# KiCad board LOKUM_PC_ALLWINNER-A64.kicad_pcb (continued)
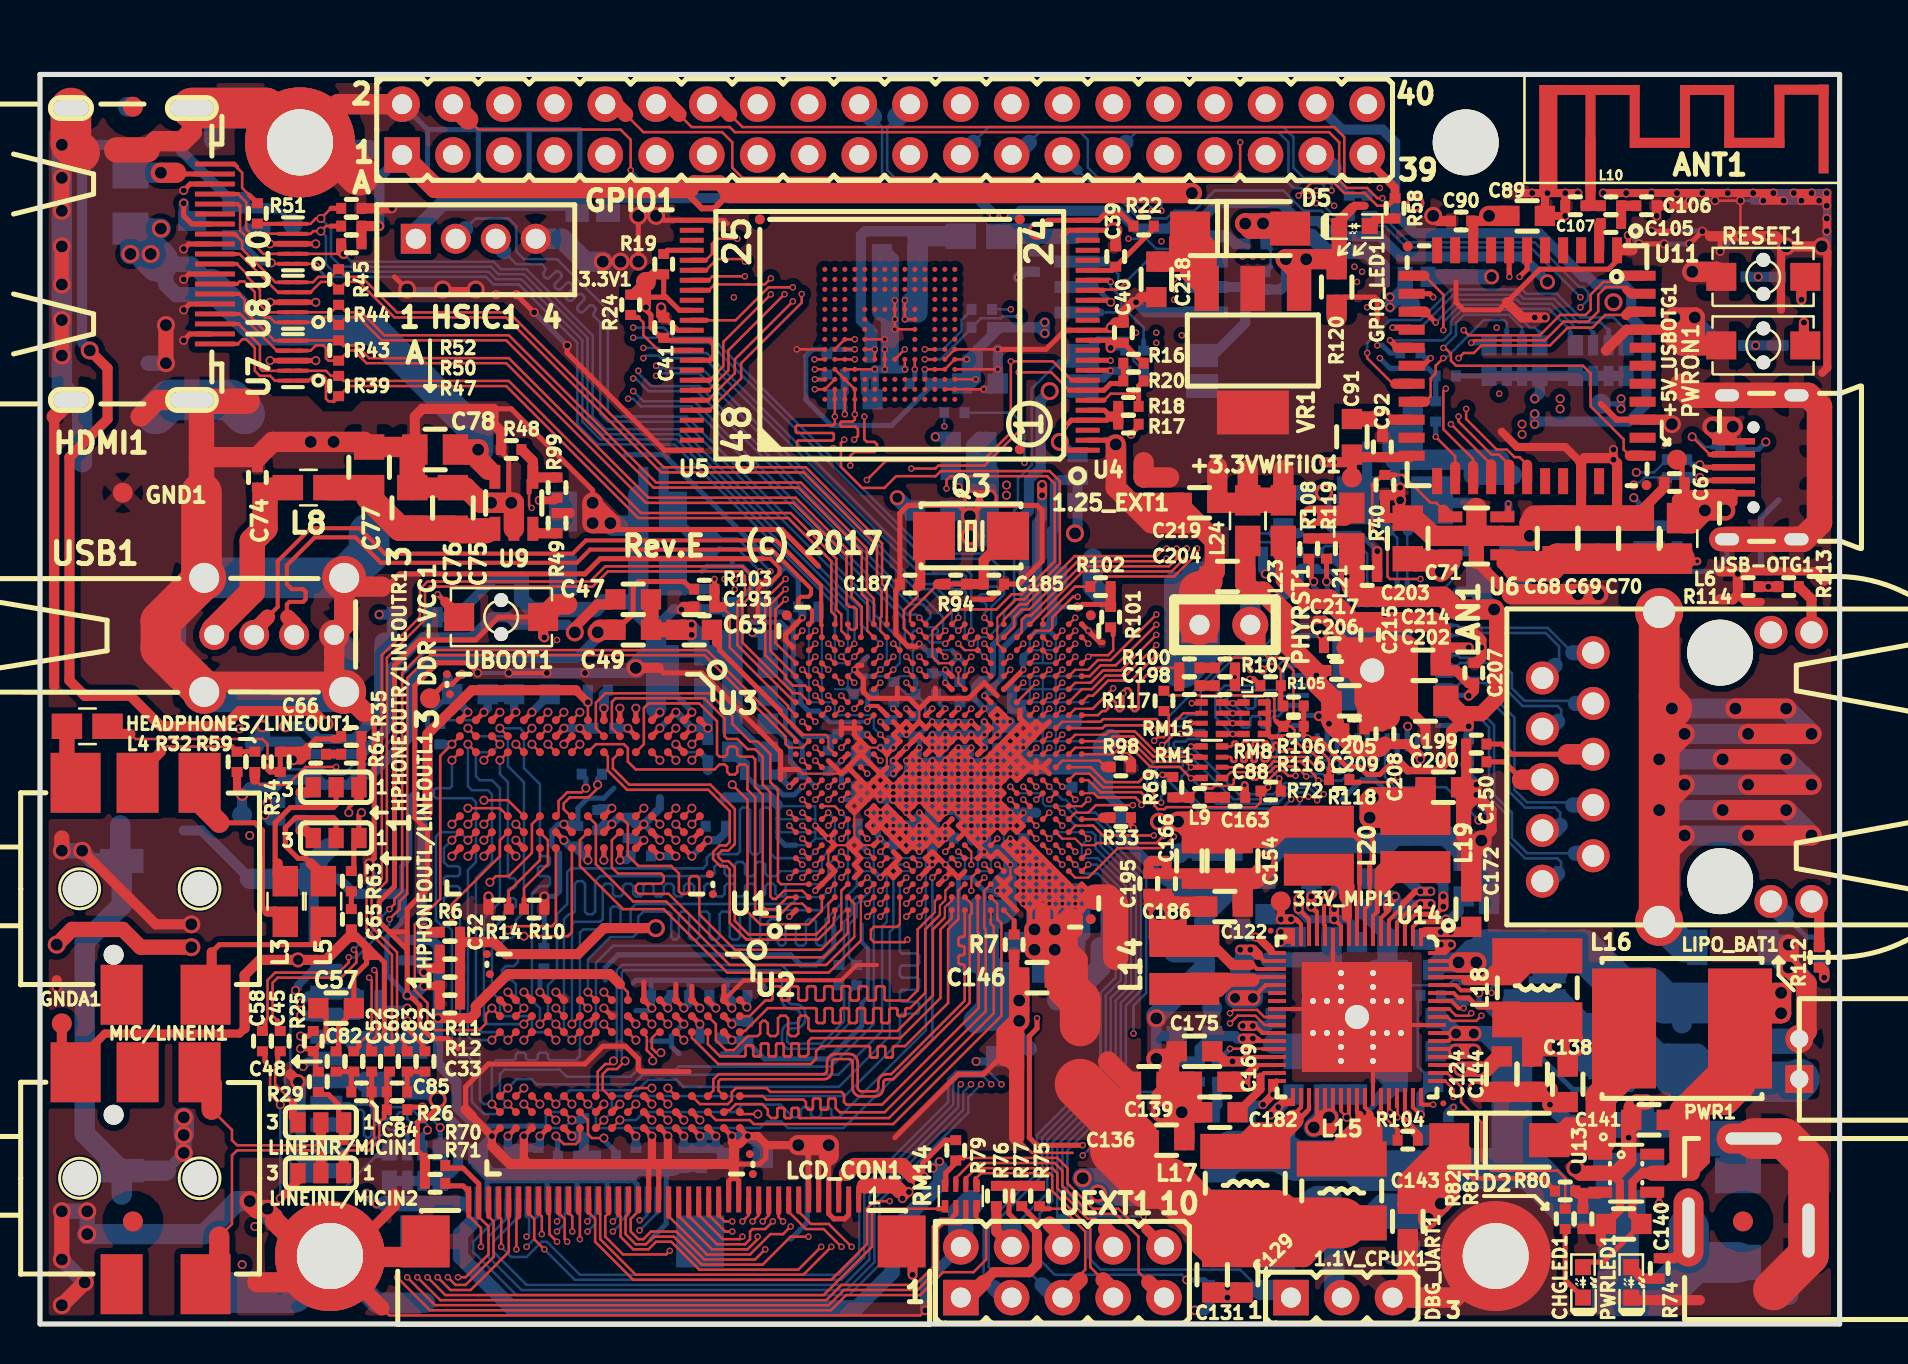
[diagram p0: board, top side]
## Routing (per net, layer and track width the routed paths; a pad name or vN(x,y) marks a point on that pad's centre or on a via; arc(x,y) is an arc through that point) (continued)
/S0SA6: length 49.4
  Top w0.127: v3(23.4,11) U2.R8 ; U3.R8 v3(21.4,24.2) ; U1.F3 v5(41.38,22.33)
  Bottom w0.107: 41.7,22 41.7,20.05
  Bottom w0.127: v3(21.4,24.2) 21,24.6 20.02,24.6 19.8,24.38 19.8,20.2 20.1,19.9 20.4,19.9 20.6,19.7 20.6,13.6 20.8,13.4 21.4,13.4 21.6,13.2 21.6,11.1 22.2,10.5 22.9,10.5 v3(23.4,11) 23,11.4 23,12.5 23.23,12.73 25.98,12.73 26.34,12.37 29.54,12.37 29.9,12.73 31.8,12.73 31.95,12.88 39.57,12.88 41.7,15 41.7,20.05 ; v5(41.38,22.33) 41.7,22
/S0SA7: length 49.2
  Top w0.127: v3(24.2,15.8) U2.R2 ; U1.E4 v5(40.07,22.33) ; v3(21.4,29.8) U3.R2
  In3.Cu w0.127: v3(24.2,15.8) 24.6,16.2 24.6,17.84 24.71,17.96 25.54,17.96 25.57,17.95 25.6,17.94 25.62,17.93 25.64,17.91 25.66,17.88 25.67,17.85 25.67,17.82 25.67,17.46 25.68,17.43 25.69,17.4 25.7,17.38 25.73,17.35 25.75,17.34 25.78,17.33 25.81,17.32 26.09,17.32 26.12,17.33 26.15,17.34 26.18,17.35 26.2,17.38 26.21,17.4 26.23,17.43 26.23,17.46 26.23,18.5 26.23,18.53 26.24,18.56 26.26,18.59 26.28,18.61 26.31,18.63 26.34,18.64 26.37,18.64 26.64,18.64 26.67,18.64 26.7,18.63 26.73,18.61 26.75,18.59 26.77,18.56 26.78,18.53 26.78,18.5 26.78,18.1 26.79,18.07 26.8,18.04 26.81,18.01 26.83,17.99 26.86,17.97 26.89,17.96 26.92,17.96 27.2,17.96 27.23,17.96 27.26,17.97 27.28,17.99 27.31,18.01 27.32,18.04 27.33,18.07 27.34,18.1 27.34,18.5 27.34,18.53 27.35,18.56 27.37,18.59 27.39,18.61 27.41,18.63 27.44,18.64 27.47,18.64 27.75,18.64 27.78,18.64 27.81,18.63 27.84,18.61 27.86,18.59 27.88,18.56 27.89,18.53 27.89,18.5 27.89,18.1 27.89,18.07 27.9,18.04 27.92,18.01 27.94,17.99 27.97,17.97 28,17.96 28.03,17.96 28.31,17.96 28.34,17.96 28.37,17.97 28.39,17.99 28.41,18.01 28.43,18.04 28.44,18.07 28.44,18.1 28.44,18.5 28.45,18.53 28.46,18.56 28.47,18.59 28.5,18.61 28.52,18.63 28.55,18.64 28.58,18.64 28.86,18.64 28.89,18.64 28.92,18.63 28.95,18.61 28.97,18.59 28.98,18.56 29,18.53 29,18.5 29,18.1 29,18.07 29.01,18.04 29.03,18.01 29.05,17.99 29.08,17.97 29.11,17.96 29.14,17.96 29.41,17.96 29.44,17.96 29.47,17.97 29.5,17.99 29.52,18.01 29.54,18.04 29.55,18.07 29.55,18.1 29.55,18.5 29.56,18.53 29.57,18.56 29.58,18.59 29.6,18.61 29.63,18.63 29.66,18.64 29.69,18.64 29.97,18.64 30,18.64 30.03,18.63 30.05,18.61 30.08,18.59 30.09,18.56 30.1,18.53 30.11,18.5 30.11,18.1 30.11,18.07 30.12,18.04 30.14,18.01 30.16,17.99 30.18,17.97 30.21,17.96 30.25,17.96 30.52,17.96 30.55,17.96 30.58,17.97 30.61,17.99 30.63,18.01 30.65,18.04 30.66,18.07 30.66,18.1 30.66,18.5 30.66,18.53 30.67,18.56 30.69,18.59 30.71,18.61 30.74,18.63 30.77,18.64 30.8,18.64 31.08,18.64 31.11,18.64 31.14,18.63 31.16,18.61 31.18,18.59 31.2,18.56 31.21,18.53 31.21,18.5 31.21,18.1 31.22,18.07 31.23,18.04 31.24,18.01 31.27,17.99 31.29,17.97 31.32,17.96 31.35,17.96 31.63,17.96 31.66,17.96 31.69,17.97 31.72,17.99 31.74,18.01 31.75,18.04 31.77,18.07 31.77,18.1 31.77,18.5 31.77,18.53 31.78,18.56 31.8,18.59 31.82,18.61 31.85,18.63 31.88,18.64 31.91,18.64 32.18,18.64 32.21,18.64 32.24,18.63 32.27,18.61 32.29,18.59 32.31,18.56 32.32,18.53 32.32,18.5 32.32,18.1 32.33,18.07 32.34,18.04 32.35,18.01 32.37,17.99 32.4,17.97 32.43,17.96 32.46,17.96 35.89,17.96 36.02,18.08 36.02,19.61 36.4,19.99 38.3,19.99 38.94,20.62 39.95,20.62 40.07,20.75 v5(40.07,22.33)
  Bottom w0.127: v3(21.4,29.8) U3.R2 23.2,29.4 23.4,29.2 23.4,27.9 24.2,27.1 24.2,20.6 23.8,20.2 23.8,19.5 23.6,19.3 23.3,19.3 23.1,19.1 23.1,18.8 23.3,18.6 23.7,18.6 23.9,18.4 23.9,18.1 23.7,17.9 23.3,17.9 23.1,17.7 23.1,17.4 23.3,17.2 23.6,17.2 23.8,17 23.8,16.2 v3(24.2,15.8)
/S0SA8: length 49.1
  Top w0.127: v5(39.43,21.67) U1.D3 ; v3(20.6,24.2) U3.T8 ; U2.T8 v3(22.6,11)
  Bottom w0.107: 39.1,21.35 37.92,21.35
  Bottom w0.127: v3(20.6,24.2) 20.2,23.8 20.2,23.1 20.4,22.9 20.9,22.9 21,22.8 21,22.5 20.9,22.4 20.3,22.4 20.2,22.3 20.2,22 20.3,21.9 20.9,21.9 21,21.8 21,21.5 20.9,21.4 20.3,21.4 20.2,21.3 20.2,21 20.3,20.9 20.9,20.9 21,20.8 21,14 21.2,13.8 21.8,13.8 22,13.6 22,11.2 22.2,11 v3(22.6,11) 22.6,12.98 22.82,13.2 23.7,13.2 23.8,13.3 23.8,13.47 23.9,13.57 24.2,13.57 24.3,13.47 24.3,13.3 24.4,13.2 24.8,13.2 24.9,13.3 24.9,13.47 25,13.57 25.3,13.57 25.4,13.47 25.4,13.3 25.5,13.2 26.8,13.2 27,13.4 27,19.57 27.16,19.74 28.4,19.74 28.52,19.86 28.52,20.75 28.65,20.88 28.91,20.88 29.03,20.75 29.03,19.86 29.16,19.74 29.41,19.74 29.54,19.86 29.54,20.75 29.79,21.01 37.58,21.01 37.92,21.35 ; v5(39.43,21.67) 39.1,21.35
/S0SA9: length 49.4
  Top w0.127: U2.R3 v3(23.4,14.2) ; v5(38.78,22.33) U1.C4 ; v3(21.4,29) U3.R3
  In3.Cu w0.107: 39.1,22 39.1,21.35
  In3.Cu w0.127: 39.1,21.35 38.58,20.83 37.36,20.83 36.91,20.37 36.14,20.37 35.64,19.86 35.64,18.59 35.51,18.47 35.38,18.47 35.25,18.59 35.25,19.86 35.13,19.99 34.87,19.99 34.75,19.86 34.75,18.59 34.62,18.47 34.24,18.47 34.11,18.59 34.11,19.86 33.99,19.99 33.73,19.99 33.6,19.86 33.6,18.59 33.48,18.47 33.22,18.47 33.1,18.59 33.1,19.86 32.97,19.99 32.72,19.99 32.59,19.86 32.59,19.23 32.46,19.1 26.11,19.1 25.86,18.85 25.86,18.47 25.73,18.34 24.34,18.34 23.8,17.8 U2.R3 v3(23.4,14.2) ; v5(38.78,22.33) 39.1,22
  Bottom w0.127: v3(21.4,29) 21.4,26.9 21.6,26.7 22.4,26.7 22.6,26.5 22.6,23.1 21.8,22.3 21.8,14.9 22.1,14.6 23,14.6 v3(23.4,14.2)
/S0SA10: length 49.4
  Top w0.127: v3(22.5,22.1) 22.8,22.4 23.44,22.4 24.6,23.56 24.6,25 U3.L7 ; v3(27.4,11) U2.L7 ; v5(44.62,22.33) U1.M4
  In2.Cu w0.127: v3(22.5,22.1) 21.8,21.4 21.8,21.1 22.3,20.6 22.3,20.2 21.8,19.7 21.8,15.1 22.1,14.8 22.8,14.8 23,14.6 23,14 23.3,13.7 24.7,13.7 v3(27.4,11)
  Bottom w0.127: v3(27.4,11) 27.8,10.6 27.8,10 28,9.8 36,9.8 36.33,10.13 37.07,10.13 37.4,9.8 40.18,9.8 44.62,14.25 v5(44.62,22.33)
/S0SA11: length 51.1
  Top w0.127: U3.R7 v3(21.4,25) ; U2.R7 v3(24.2,11.8) ; v5(47.88,22.97) U1.U4
  In3.Cu w0.107: 47.55,23.3 46.4,23.3 46.25,23.15 46.25,22.65
  In3.Cu w0.127: v3(21.4,25) 21.8,24.6 23.2,24.6 23.4,24.4 23.4,23 24,22.4 24,20.7 23.8,20.5 22.4,20.5 21.9,20 21.9,14.2 22.5,13.6 23.3,13.6 24.2,12.7 v3(24.2,11.8) 24.4,11.8 24.59,11.99 29.67,11.99 30.18,12.5 31.83,12.5 31.95,12.62 40.34,12.62 45.93,18.21 45.93,22.33 46.25,22.65 ; v5(47.88,22.97) 47.55,23.3
/S0SA12: length 49
  Top w0.127: v3(21.4,25.8) 23,25.8 U3.N7 ; U2.N7 v3(25.8,11) ; U1.K5 v5(43.97,22.97)
  In2.Cu w0.127: v3(21.4,25.8) 21,25.4 21,14.2 22.3,12.9 23.9,12.9 v3(25.8,11)
  Bottom w0.107: 43.65,22.65 43,22.65
  Bottom w0.127: v3(25.8,11) 26.2,11.4 26.49,11.69 29.88,11.69 30.4,12.22 31.83,12.22 32.18,11.86 39.95,11.86 42.49,14.4 42.49,19.61 42.68,19.79 42.68,22.33 43,22.65 ; v5(43.97,22.97) 43.65,22.65
/S0SA13: length 49.4
  Top w0.127: v3(22.6,14.2) U2.T3 ; U1.E8 v5(40.07,24.92) ; U3.T3 v3(20.6,28.2)
  In3.Cu w0.107: 38.12,21.35 38.45,21.67 38.45,25.15 38.55,25.25 39.75,25.25
  In3.Cu w0.127: v3(22.6,14.2) U2.T3 23,17.6 24.1,18.7 25.2,18.7 26,19.5 29,19.5 29.1,19.6 29.1,20.4 29.2,20.5 29.5,20.5 29.6,20.4 29.6,19.6 29.7,19.5 30,19.5 30.1,19.6 30.1,20.4 30.2,20.5 31.5,20.5 31.7,20.3 31.7,19.6 31.8,19.5 32.1,19.5 32.2,19.6 32.2,20.3 32.4,20.5 35.7,20.5 36,20.8 36.7,20.8 37.25,21.35 38.12,21.35 ; v5(40.07,24.92) 39.75,25.25
  Bottom w0.127: v3(22.6,14.2) 21.6,14.2 21.4,14.4 21.4,22.7 21.8,23.1 21.8,26.1 21.6,26.3 19.8,26.3 19.7,26.4 19.7,26.7 19.8,26.8 20.5,26.8 20.6,26.9 v3(20.6,28.2)
/S0SA14: length 49.1
  Top w0.127: v3(23.4,11.8) U2.T7 ; U3.T7 v3(20.6,25) ; U1.K4 v5(43.32,22.97)
  In3.Cu w0.127: v3(20.6,25) 21,24.6 21,22.7 21.1,22.6 21.8,22.6 21.9,22.5 21.9,22.2 21.8,22.1 20.8,22.1 20.7,22 20.7,21.7 20.8,21.6 21.8,21.6 21.9,21.5 21.9,21.2 21,20.3 21,13.8 22.2,12.6 23.1,12.6 23.4,12.3 v3(23.4,11.8)
  Bottom w0.107: 42.35,22.65 42.35,20.12
  Bottom w0.127: 23.71,12.11 v3(23.4,11.8) ; 23.71,12.11 23.84,12.24 24.59,12.24 24.84,11.99 29.67,11.99 30.15,12.47 30.35,12.47 39.93,12.47 42.11,14.66 42.11,19.88 42.35,20.12 ; 23.71,12.11 23.72,12.12 ; v5(43.32,22.97) 42.68,22.97 42.35,22.65
/S0SA15: length 51.2
  Top w0.127: v3(22.2,26.2) 23.4,26.2 U3.M7 ; U1.T4 v5(47.22,22.97) ; v3(26.6,11) U2.M7
  In2.Cu w0.127: v3(22.2,26.2) 21.8,25.8 21.8,22.1 21.4,21.7 21.4,14.8 22.9,13.3 24.3,13.3 v3(26.6,11)
  In3.Cu w0.107: 46.9,22.65 46.9,21.03
  In3.Cu w0.127: 46.9,21.03 46.9,17.41 40.05,10.56 36.81,10.56 36.4,10.97 35.5,10.97 35.13,10.6 27,10.6 v3(26.6,11) ; v5(47.22,22.97) 46.9,22.65
/S0SBA0: length 51.7
  Top w0.127: v5(39.43,24.92) U1.D8 ; U3.M2 v3(24.6,29.8) ; v3(25.8,15.8) U2.M2
  In2.Cu w0.127: v3(25.8,15.8) 25.4,16.2 25.4,16.8 25,17.2 25,20.3 24.2,21.1 24.2,21.3 24.1,21.4 23.8,21.4 23.7,21.5 23.7,21.8 23.8,21.9 24.1,21.9 24.2,22 24.2,22.3 24.1,22.4 23.8,22.4 23.7,22.5 23.7,22.8 23.8,22.9 24.1,22.9 24.2,23 24.2,24.4 24,24.6 23.6,24.6 23.4,24.8 23.4,27.2 24.2,28 24.2,29.2 23.8,29.6 23.8,30 24,30.2 24.2,30.2 v3(24.6,29.8)
  In3.Cu w0.107: 39.75,24.6 39.75,23.42 39.88,23.3 40.4,23.3
  In3.Cu w0.127: 26.4,17.2 26.4,17.2 ; 26.4,17.2 26.4,16.4 v3(25.8,15.8) ; 26.4,17.2 26.65,17.45 35.64,17.45 35.76,17.58 36.4,17.58 36.53,17.7 36.53,19.48 36.65,19.61 37.03,19.61 37.16,19.48 37.16,17.7 37.29,17.58 37.54,17.58 37.67,17.7 37.67,19.48 37.79,19.61 38.18,19.61 38.3,19.48 38.3,17.7 38.43,17.58 38.68,17.58 38.81,17.7 38.81,19.99 39.06,20.24 40.59,20.24 40.72,20.38 40.72,22.97 40.4,23.3 ; v5(39.43,24.92) 39.75,24.6
/S0SBA1: length 51.7
  Top w0.127: v5(47.22,22.33) U1.R3 ; v3(20.6,20.4) 20.6,21 23,23.4 23,24.2 U3.N8 ; U2.N8 v3(25.8,10.2)
  In2.Cu w0.127: v3(20.6,20.4) 20.6,13.8 23,11.4 23,10.8 23.6,10.2 v3(25.8,10.2)
  In3.Cu w0.127: v3(25.8,10.2) 25,10.2 24.9,10.1 24.9,9.9 25,9.8 26.2,9.8 39.83,9.8 47.22,17.12 v5(47.22,22.33)
/S0SBA2: length 50.3
  Top w0.127: v3(25.8,15) U2.M3 ; U1.C6 v5(38.78,23.62) ; U3.M3 v3(23.8,29)
  In2.Cu w0.127: v3(23.8,29) 23.4,29.4 22.7,29.4 22.6,29.3 22.6,27.8 23,27.4 23,22.8 23.3,22.5 23.3,21.1 23.4,21 23.8,21 23.9,20.9 23.9,20.7 23.8,20.6 23.4,20.6 23.3,20.5 23.3,20.3 23.4,20.2 24.4,20.2 24.6,20 24.6,16.2 v3(25.8,15)
  Bottom w0.107: 38.45,23.3 37.79,23.3
  Bottom w0.127: 37.79,23.3 36.77,23.3 36.53,23.55 36.53,25.7 36.4,25.83 36.14,25.83 36.02,25.7 36.02,23.63 35.89,23.5 35.64,23.5 35.51,23.63 35.51,25.7 35.38,25.83 35.13,25.83 35,25.7 35,23.63 34.87,23.5 33.51,23.5 33.35,23.34 33.35,22.97 33.16,22.78 26.54,22.78 26.36,22.61 26.36,21.01 25.86,20.5 25.86,17.4 25.4,16.94 25.4,15.4 v3(25.8,15) ; v5(38.78,23.62) 38.45,23.3
/S0SCAS: length 50.1
  Top w0.107: U1.C9 39.75,25.9
  Top w0.127: 39.75,25.9 v5(40.07,25.58) ; v3(25.4,29) U3.K3 ; v3(27.4,14.2) U2.K3
  In2.Cu w0.127: v3(25.4,29) 25.4,28 25,27.6 25,25.6 25.4,25.2 25.4,24.4 26.1,23.7 26.1,22.7 26.6,22.2 26.6,22 26.5,21.9 26.2,21.9 26.1,21.8 26.1,21.5 26.2,21.4 26.5,21.4 26.6,21.3 26.6,21 26.5,20.9 26.2,20.9 26.1,20.8 26.1,20.5 26.2,20.4 26.5,20.4 26.6,20.3 26.6,20 26.5,19.9 26.2,19.9 26.1,19.8 26.1,19.5 26.2,19.4 26.57,19.4 26.72,19.25 26.72,15.68 27,15.4 27,14.6 v3(27.4,14.2)
  Bottom w0.107: 40.4,25.25 40.4,22
  Bottom w0.127: v3(27.4,14.2) U2.K3 27.8,18.06 28.66,18.92 36.27,18.92 36.4,19.05 36.4,20.12 36.53,20.24 36.78,20.24 36.91,20.12 36.91,19.05 37.03,18.92 37.16,18.92 37.29,19.05 37.29,19.86 37.41,19.99 37.67,19.99 37.79,19.86 37.79,19.05 37.92,18.92 38.18,18.92 38.3,19.05 38.3,20.12 38.43,20.24 38.68,20.24 38.81,20.12 38.81,19.05 38.94,18.92 39.14,18.92 39.29,19.08 39.29,20.24 40.07,21.03 40.07,21.67 40.4,22 ; v5(40.07,25.58) 40.4,25.25
/S0SCK_N: length 47.6
  Top w0.127: v3(27.3,26.8) 27.09,26.59 26.36,26.59 25.93,26.16 25.93,25.53 U3.K7 ; U2.K7 27.89,11.49 27.89,12.62 28.27,13 28.52,13 v3(28.68,13.16)
  In2.Cu w0.127: v3(27.3,26.8) 27.43,26.8 27.83,26.4 28.97,26.4 29.26,26.11 29.26,23.84 30.06,23.04 30.06,22.06 29.02,21.02 29.02,18.77 29.3,18.49 30.51,18.49 30.66,18.34 30.66,17.96 30.4,17.7 29.41,17.7 29.02,17.31 29.02,15.87 28.83,15.68 28.83,13.31 v3(28.68,13.16)
  Bottom w0.127: v3(28.68,13.16) 28.84,13.32 28.84,17.69 29.11,17.96 37.09,17.96 37.36,17.68 37.36,16.26 37.37,16.2 37.39,16.15 37.42,16.1 37.46,16.05 37.51,16.02 37.57,16 37.63,16 37.78,16 37.89,15.99 37.99,15.95 38.09,15.89 38.16,15.81 38.22,15.72 38.26,15.62 38.27,15.51 38.27,15.28 38.26,15.17 38.22,15.07 38.16,14.98 38.09,14.9 37.99,14.84 37.89,14.81 37.78,14.79 37.63,14.79 37.57,14.79 37.51,14.77 37.46,14.74 37.42,14.69 37.39,14.64 37.37,14.59 37.36,14.53 37.36,14.13 37.47,14.02 39.09,14.02 40.21,15.14 40.21,16.69 R4.1
  Bottom w0.254: v3(27.3,26.8) 27.3,27.29 R2.1
/S0SCK_P: length 48.5
  Top w0.127: U3.J7 26.54,25.4 26.19,25.76 26.19,26.04 26.49,26.34 27.43,26.34 27.89,26.8 v3(27.89,26.97) ; v3(29.26,13.16) 28.85,12.75 28.4,12.75 28.14,12.5 28.14,11.73 28.48,11.4 U2.J7
  In2.Cu w0.127: v3(27.89,26.97) 27.89,26.85 28.06,26.68 29.07,26.68 29.54,26.21 29.54,23.96 30.34,23.16 30.34,21.94 29.3,20.9 29.3,18.89 29.41,18.77 30.63,18.77 30.94,18.47 30.94,17.83 30.53,17.42 29.51,17.42 29.3,17.21 29.3,15.76 29.11,15.57 29.11,13.31 v3(29.26,13.16)
  Bottom w0.127: v3(29.26,13.16) 29.1,13.32 29.1,17.59 29.21,17.7 36.98,17.7 37.11,17.58 37.11,16.23 37.12,16.12 37.16,16.02 37.21,15.93 37.29,15.85 37.38,15.79 37.49,15.76 37.6,15.74 37.75,15.74 37.81,15.74 37.87,15.72 37.92,15.69 37.96,15.64 37.99,15.59 38.01,15.54 38.02,15.48 38.02,15.31 38.01,15.25 37.99,15.2 37.96,15.15 37.92,15.1 37.87,15.07 37.81,15.05 37.75,15.05 37.6,15.05 37.49,15.04 37.38,15 37.29,14.94 37.21,14.86 37.16,14.77 37.12,14.67 37.11,14.56 37.11,14.02 37.36,13.77 39.19,13.77 40.46,15.04 40.46,16.56 R3.1
  Bottom w0.254: v3(27.89,26.97) 27.89,27.28 R2.2
/S0SCKE0: length 50
  Top w0.127: v3(23.4,19.7) 23.6,19.9 25.6,19.9 25.8,20.1 U3.K9 ; U1.J3 v5(43.32,22.33) ; v3(28.2,10.2) U2.K9
  In2.Cu w0.127: v3(23.4,19.7) 23.6,19.5 23.6,17.4 23,16.8 23,15.6 24,14.6 24.4,14.6 26,13 26.7,13 27.8,11.9 27.8,10.6 v3(28.2,10.2)
  Bottom w0.107: U1.J3 43,20.05
  Bottom w0.127: 43,20.05 43,18.72 43.01,18.65 43.02,18.62 43.04,18.59 43.06,18.57 43.09,18.55 43.12,18.54 43.16,18.53 43.81,18.53 43.85,18.53 43.88,18.52 43.91,18.5 43.93,18.48 43.95,18.45 43.96,18.42 43.96,18.38 43.96,18.08 43.96,18.05 43.95,18.01 43.93,17.99 43.91,17.96 43.88,17.94 43.85,17.93 43.81,17.93 43.16,17.93 43.12,17.92 43.09,17.91 43.06,17.9 43.04,17.87 43.02,17.84 43.01,17.81 43,17.78 43,17.48 43.01,17.44 43.02,17.41 43.04,17.38 43.06,17.36 43.09,17.34 43.12,17.33 43.16,17.32 43.81,17.32 43.85,17.32 43.88,17.31 43.91,17.29 43.93,17.27 43.95,17.24 43.96,17.21 43.96,17.17 43.96,16.87 43.96,16.84 43.95,16.81 43.93,16.78 43.91,16.75 43.88,16.74 43.85,16.72 43.81,16.72 43.16,16.72 43.12,16.72 43.09,16.71 43.06,16.69 43.04,16.66 43.02,16.64 43.01,16.6 43,16.57 43,16.27 43.01,16.23 43.02,16.2 43.04,16.17 43.06,16.15 43.09,16.13 43.12,16.12 43.16,16.12 43.81,16.12 43.85,16.11 43.88,16.1 43.91,16.08 43.93,16.06 43.95,16.03 43.96,16 43.96,15.97 43.96,15.66 43.96,15.63 43.95,15.6 43.93,15.57 43.91,15.55 43.88,15.53 43.85,15.52 43.81,15.51 43.16,15.51 43.12,15.51 43.09,15.5 43.06,15.48 43.04,15.46 43.02,15.43 43.01,15.4 43,15.36 43,14.15 40.25,11.4 28.8,11.4 28.6,11.2 28.6,10.6 v3(28.2,10.2) ; v5(43.32,22.33) U1.J3
/S0SCKE1: length 50.1
  Top w0.127: v3(24.2,19.4) 26.4,19.4 26.6,19.6 U3.J9 ; v3(29,10.2) U2.J9 ; U1.H6 v5(42.03,23.62)
  In2.Cu w0.127: v3(24.2,19.4) 24.2,17.3 23.8,16.9 23.8,15.6 24,15.4 24.4,15.4 24.6,15.2 24.6,14.8 26,13.4 26.9,13.4 28.6,11.7 28.6,10.6 v3(29,10.2)
  Bottom w0.107: 42.35,23.3 44.2,23.3 44.3,23.2 44.3,20.05
  Bottom w0.127: v5(42.03,23.62) 42.35,23.3 ; v3(29,10.2) 29.8,10.2 30.2,10.6 34.75,10.6 35.13,10.97 37.03,10.97 37.67,10.34 37.92,10.34 38.05,10.47 38.05,10.72 38.18,10.85 38.43,10.85 38.56,10.72 38.56,10.47 38.68,10.34 38.94,10.34 39.06,10.47 39.06,10.72 39.19,10.85 39.45,10.85 39.57,10.72 39.57,10.47 39.7,10.34 39.95,10.34 44.3,14.68 44.3,20.05
/S0SCS0: length 50.1
  Top w0.127: U2.L2 v3(26.6,15) ; U3.L2 v3(25.4,29.8) ; v5(40.07,23.62) U1.E5
  In2.Cu w0.127: v3(25.4,29.8) U3.L2 25,28 24.6,27.6 24.6,25.4 25,25 25,23.9 25.1,23.8 25.5,23.8 25.6,23.7 25.6,23.4 25.5,23.3 25.1,23.3 25,23.2 25,22.9 25.1,22.8 25.5,22.8 25.7,22.6 25.7,19.1 25.8,19 26.2,19 26.3,18.9 26.3,18.6 26.2,18.5 25.8,18.5 25.7,18.4 25.7,18.1 25.8,18 26.27,18 26.47,17.81 26.47,15.13 v3(26.6,15)
  Bottom w0.107: 37.29,21.89 37.39,22 39.1,22
  Bottom w0.127: 37.29,21.89 37.29,21.49 37.18,21.39 36.91,21.39 36.78,21.51 36.78,21.89 36.65,22.02 36.4,22.02 36.27,21.89 36.27,21.51 36.14,21.39 35.89,21.39 35.76,21.51 35.76,21.89 35.64,22.02 35.38,22.02 35.25,21.89 35.25,21.51 35.13,21.39 34.87,21.39 34.75,21.51 34.75,21.89 34.62,22.02 34.37,22.02 34.24,21.89 34.24,21.51 34.11,21.39 33.86,21.39 33.73,21.51 33.73,21.89 33.6,22.02 33.35,22.02 33.22,21.89 33.22,21.51 33.1,21.39 32.84,21.39 32.72,21.51 32.72,21.89 32.59,22.02 32.33,22.02 32.21,21.89 32.21,21.51 32.08,21.39 31.83,21.39 31.7,21.51 31.7,21.89 31.57,22.02 31.32,22.02 31.19,21.89 31.19,21.51 31.06,21.39 30.81,21.39 30.68,21.51 30.68,21.89 30.56,22.02 30.3,22.02 30.18,21.89 30.18,21.51 30.05,21.39 29.79,21.39 29.67,21.51 29.67,21.89 29.54,22.02 29.29,22.02 29.16,21.89 29.16,21.51 29.03,21.39 28.78,21.39 28.65,21.51 28.65,21.89 28.52,22.02 28.27,22.02 28.14,21.89 28.14,20.24 28.02,20.12 26.73,20.12 26.6,19.99 v3(26.6,15) ; 39.1,22 39.43,22.33 39.43,22.97 v5(40.07,23.62)
/S0SCS1: length 51.5
  Top w0.127: U3.L1 v3(25.4,30.6) ; U2.L1 v3(27.4,15.8) ; v5(42.03,22.97) U1.H5
  In2.Cu w0.127: v3(27.4,15.8) U2.L1 27,22.4 26.6,22.8 26.6,24.4 26.4,24.6 26,24.6 25.8,24.8 25.8,25.4 25.4,25.8 25.4,27.5 25.8,27.9 25.8,31.6 25.7,31.7 25.4,31.7 25.3,31.6 25.3,30.7 v3(25.4,30.6)
  In3.Cu w0.107: 43,20.05 43,22.65
  In3.Cu w0.127: v5(42.03,22.97) 42.68,22.97 43,22.65 ; 43,20.05 43,18.21 40.46,15.67 40.21,15.67 40.08,15.8 40.08,16.07 39.95,16.2 39.72,16.2 39.57,16.05 39.57,15.16 39.45,15.04 39.32,15.04 39.19,15.16 39.19,16.07 39.06,16.2 38.83,16.2 38.68,16.05 38.68,15.55 38.56,15.42 38.3,15.42 38.18,15.55 38.18,16.05 38.05,16.18 37.92,16.18 37.79,16.05 37.79,15.42 37.67,15.29 37.54,15.29 37.41,15.42 37.41,16.05 37.29,16.18 36.91,16.18 36.78,16.05 36.78,15.04 36.65,14.91 36.53,14.91 36.4,15.04 36.4,15.97 36.1,16.27 34.81,16.27 34.75,16.2 30.2,16.2 30.1,16.1 30.1,15.8 30,15.7 29.8,15.7 29.7,15.8 29.7,16.1 29.6,16.2 29.4,16.2 29.3,16.1 29.3,15.8 29.2,15.7 29,15.7 28.9,15.8 28.9,16.1 28.8,16.2 27.8,16.2 v3(27.4,15.8)
/S0SDQ0: length 20
  Top w0.127: v3(31.4,11) U2.F7 ; U1.L3 v5(43.97,21.67)
  In2.Cu w0.107: 43.65,20.05 43.65,21.35
  In2.Cu w0.127: v5(43.97,21.67) 43.65,21.35 ; v3(31.4,11) 35.03,11 35.38,11.35 36.53,11.35 44.02,18.85 44.02,19.48 43.65,19.85 43.65,20.05
/S0SDQ1: length 20.2
  Top w0.127: U2.G2 v3(30.6,15) ; U1.G1 v5(41.38,20.38)
  In2.Cu w0.127: v5(41.38,20.38) 41.07,20.38 38.91,18.21 38.56,18.21 38.52,18.22 38.49,18.23 38.47,18.24 38.44,18.27 38.43,18.29 38.42,18.32 38.41,18.36 38.41,18.85 38.41,18.88 38.4,18.91 38.38,18.94 38.36,18.96 38.33,18.98 38.3,18.99 38.27,18.99 37.98,18.99 37.94,18.99 37.91,18.98 37.89,18.96 37.86,18.94 37.85,18.91 37.83,18.88 37.83,18.85 37.83,18.36 37.83,18.32 37.82,18.29 37.8,18.27 37.78,18.24 37.75,18.23 37.72,18.22 37.69,18.21 37.4,18.21 37.36,18.22 37.33,18.23 37.3,18.24 37.28,18.27 37.26,18.29 37.25,18.32 37.25,18.36 37.25,18.85 37.25,18.88 37.24,18.91 37.22,18.94 37.2,18.96 37.17,18.98 37.14,18.99 37.1,18.99 36.81,18.99 36.78,18.99 36.75,18.98 36.72,18.96 36.7,18.94 36.68,18.91 36.67,18.88 36.67,18.85 36.67,18.36 36.67,18.32 36.65,18.29 36.64,18.27 36.61,18.24 36.59,18.23 36.56,18.22 36.52,18.21 36.23,18.21 36.2,18.22 36.17,18.23 36.14,18.24 36.12,18.27 36.1,18.29 36.09,18.32 36.09,18.36 36.09,18.85 36.08,18.88 36.07,18.91 36.06,18.94 36.03,18.96 36.01,18.98 35.97,18.99 35.94,18.99 35.65,18.99 35.62,18.99 35.59,18.98 35.56,18.96 35.54,18.94 35.52,18.91 35.51,18.88 35.51,18.85 35.51,18.36 35.5,18.32 35.49,18.29 35.48,18.27 35.45,18.24 35.42,18.23 35.39,18.22 35.36,18.21 35.07,18.21 35.04,18.22 35.01,18.23 34.98,18.24 34.96,18.27 34.94,18.29 34.93,18.32 34.93,18.36 34.93,18.85 34.92,18.88 34.91,18.91 34.89,18.94 34.87,18.96 34.84,18.98 34.81,18.99 34.78,18.99 34.49,18.99 34.46,18.99 34.43,18.98 34.4,18.96 34.38,18.94 34.36,18.91 34.35,18.88 34.34,18.85 34.34,18.36 34.34,18.32 34.33,18.29 34.31,18.27 34.29,18.24 34.26,18.23 34.23,18.22 34.2,18.21 32.95,18.21 32.72,17.97 32.72,17.32 32.59,17.2 31.83,17.2 31,16.37 31,15.4 v3(30.6,15)
/S0SDQ2: length 20.2
  Top w0.127: U1.H3 v5(42.03,21.67) ; v3(31.4,15) U2.F2
  In2.Cu w0.107: 41.7,21.35 41.7,20.18
  In2.Cu w0.127: v5(42.03,21.67) 41.7,21.35 ; v3(31.4,15) 31.8,15.4 31.8,16.66 31.98,16.84 33.02,16.84 33.05,16.84 33.07,16.85 33.1,16.87 33.12,16.89 33.14,16.92 33.14,16.94 33.15,16.97 33.15,17.71 33.15,17.74 33.16,17.77 33.18,17.79 33.2,17.81 33.22,17.83 33.25,17.84 33.28,17.84 33.55,17.84 33.58,17.84 33.6,17.83 33.63,17.81 33.65,17.79 33.67,17.77 33.68,17.74 33.68,17.71 33.68,16.72 33.68,16.69 33.69,16.66 33.71,16.64 33.73,16.62 33.75,16.6 33.78,16.59 33.8,16.59 34.09,16.59 34.11,16.59 34.14,16.6 34.16,16.62 34.18,16.64 34.2,16.66 34.21,16.69 34.21,16.72 34.21,17.71 34.21,17.74 34.22,17.77 34.24,17.79 34.26,17.81 34.29,17.83 34.31,17.84 34.34,17.84 34.61,17.84 34.64,17.84 34.67,17.83 34.69,17.81 34.71,17.79 34.73,17.77 34.74,17.74 34.74,17.71 34.74,16.97 34.74,16.94 34.75,16.92 34.77,16.89 34.79,16.87 34.82,16.85 34.84,16.84 34.87,16.84 35.03,16.84 35.25,17.07 35.25,17.58 35.38,17.7 38.94,17.7 41.1,19.86 41.39,19.86 41.7,20.18
/S0SDQ3: length 20.2
  Top w0.127: U2.H7 29.8,11.8 v3(30.6,11.8) ; U1.K1 v5(43.32,20.38)
  In2.Cu w0.127: v5(43.32,20.38) 43.32,19.79 43.76,19.36 43.76,19.09 36.41,11.73 35.13,11.73 34.79,11.4 34.62,11.4 34.58,11.4 34.55,11.42 34.52,11.44 34.49,11.46 34.47,11.49 34.46,11.53 34.46,11.56 34.46,11.57 34.45,11.61 34.44,11.64 34.42,11.67 34.39,11.7 34.36,11.72 34.33,11.73 34.29,11.74 33.97,11.74 33.93,11.73 33.9,11.72 33.86,11.7 33.84,11.67 33.82,11.64 33.81,11.61 33.8,11.57 33.8,11.56 33.8,11.53 33.79,11.49 33.77,11.46 33.74,11.44 33.71,11.42 33.68,11.4 33.64,11.4 31,11.4 v3(30.6,11.8)
/S0SDQ4: length 20.1
  Top w0.127: U2.E3 v3(32.2,14.2) ; v5(42.03,21.03) U1.H2
  In2.Cu w0.107: v5(42.03,21.03) 42.35,20.7 42.35,20.08
  In2.Cu w0.127: 42.35,20.08 38.37,16.1 36.2,16.1 35.1,15 35.1,13.87 34.93,13.7 34.3,13.7 34.11,13.89 34.11,15.01 34.01,15.11 33.83,15.11 33.73,15.01 33.73,13.77 33.6,13.64 33.48,13.64 33.35,13.77 33.35,14.45 33.22,14.58 33.1,14.58 32.97,14.45 32.97,13.77 32.84,13.64 32.72,13.64 32.59,13.77 32.59,14.07 32.46,14.2 v3(32.2,14.2)
/S0SDQ5: length 20.1
  Top w0.127: U1.H1 v5(42.03,20.38) ; U2.H3 v3(29.8,14.2)
  In2.Cu w0.127: v3(29.8,14.2) 31.4,14.2 31.8,14.6 32.4,14.6 32.6,14.8 32.6,16.06 32.84,16.31 34.99,16.31 35.64,16.95 35.91,16.95 35.94,16.95 35.96,16.96 35.99,16.98 36.01,17 36.02,17.02 36.03,17.04 36.03,17.07 36.03,17.23 36.03,17.26 36.04,17.29 36.06,17.31 36.08,17.33 36.1,17.34 36.13,17.35 36.15,17.36 36.39,17.36 36.42,17.35 36.44,17.34 36.47,17.33 36.49,17.31 36.5,17.29 36.51,17.26 36.51,17.23 36.51,16.67 36.52,16.64 36.52,16.61 36.54,16.59 36.56,16.57 36.58,16.56 36.61,16.55 36.63,16.54 36.87,16.54 36.9,16.55 36.93,16.56 36.95,16.57 36.97,16.59 36.98,16.61 36.99,16.64 36.99,16.67 36.99,17.23 37,17.26 37.01,17.29 37.02,17.31 37.04,17.33 37.06,17.34 37.09,17.35 37.11,17.36 37.35,17.36 37.38,17.35 37.41,17.34 37.43,17.33 37.45,17.31 37.46,17.29 37.47,17.26 37.47,17.23 37.47,16.67 37.48,16.64 37.49,16.61 37.5,16.59 37.52,16.57 37.54,16.56 37.57,16.55 37.59,16.54 37.84,16.54 37.86,16.55 37.89,16.56 37.91,16.57 37.93,16.59 37.94,16.61 37.95,16.64 37.96,16.67 37.96,17.23 37.96,17.26 37.97,17.29 37.98,17.31 38,17.33 38.02,17.34 38.05,17.35 38.08,17.36 38.32,17.36 38.34,17.35 38.37,17.34 38.39,17.33 38.41,17.31 38.42,17.29 38.43,17.26 38.44,17.23 38.44,17.07 38.44,17.04 38.45,17.02 38.46,17 38.48,16.98 38.5,16.96 38.53,16.95 38.56,16.95 38.69,16.95 41.22,19.48 41.38,19.48 42.03,20.13 v5(42.03,20.38)
/S0SDQ6: length 20.9
  Top w0.127: v3(29.8,11) U2.H8 ; U1.L1 v5(43.97,20.38)
  In2.Cu w0.127: v3(29.8,11) 30.2,10.6 35.26,10.6 35.64,10.97 36.65,10.97 44.27,18.59 44.27,19.61 43.97,19.91 v5(43.97,20.38)
/S0SDQ7: length 20.8
  Top w0.127: U1.L2 v5(43.97,21.03) ; v3(31.4,10.2) U2.F8
  In2.Cu w0.107: 44.3,20.05 44.3,20.7
  In2.Cu w0.127: v5(43.97,21.03) 44.3,20.7 ; 44.3,20.05 44.53,19.82 44.53,18.34 35.99,9.8 31.8,9.8 v3(31.4,10.2)
/S0SDQ8: length 23.3
  Top w0.107: 47.22,21.67 47.22,20.38
  Top w0.127: 47.22,20.38 47.22,19.81 47.3,19.74 47.3,15.65 42.24,10.59 40,10.59 39.8,10.79 39.8,10.81 39.8,11.19 39.79,11.21 39.79,11.23 39.77,11.24 39.76,11.26 39.74,11.27 39.72,11.28 39.7,11.28 39.51,11.28 39.49,11.28 39.47,11.27 39.45,11.26 39.44,11.24 39.42,11.23 39.42,11.21 39.41,11.19 39.41,10.81 39.41,10.79 39.4,10.77 39.39,10.75 39.38,10.74 39.36,10.73 39.34,10.72 39.32,10.72 39.13,10.72 39.11,10.72 39.09,10.73 39.07,10.74 39.05,10.75 39.04,10.77 39.04,10.79 39.03,10.81 39.03,11.19 39.03,11.21 39.02,11.23 39.01,11.24 39,11.26 38.98,11.27 38.96,11.28 38.94,11.28 38.75,11.28 38.73,11.28 38.71,11.27 38.69,11.26 38.67,11.24 38.66,11.23 38.65,11.21 38.65,11.19 38.65,10.81 38.65,10.79 38.64,10.77 38.63,10.75 38.62,10.74 38.6,10.73 38.58,10.72 38.56,10.72 38.43,10.72 38.3,10.85 38.3,11.1 38.18,11.23 36.32,11.23 36.14,11.4 U2.A7 ; U1.T3 47.22,21.67
/S0SDQ9: length 23.3
  Top w0.107: 47.88,21.03 47.88,20.38
  Top w0.127: U1.T2 47.88,21.03 ; 47.88,20.38 47.88,20.24 48.08,20.04 48.08,15.42 42.66,10 35.7,10 35.5,10.2 33.8,10.2 U2.C8